# Altium PCB MCU014B_D1.PcbDoc (part 3 of 5) (continued)
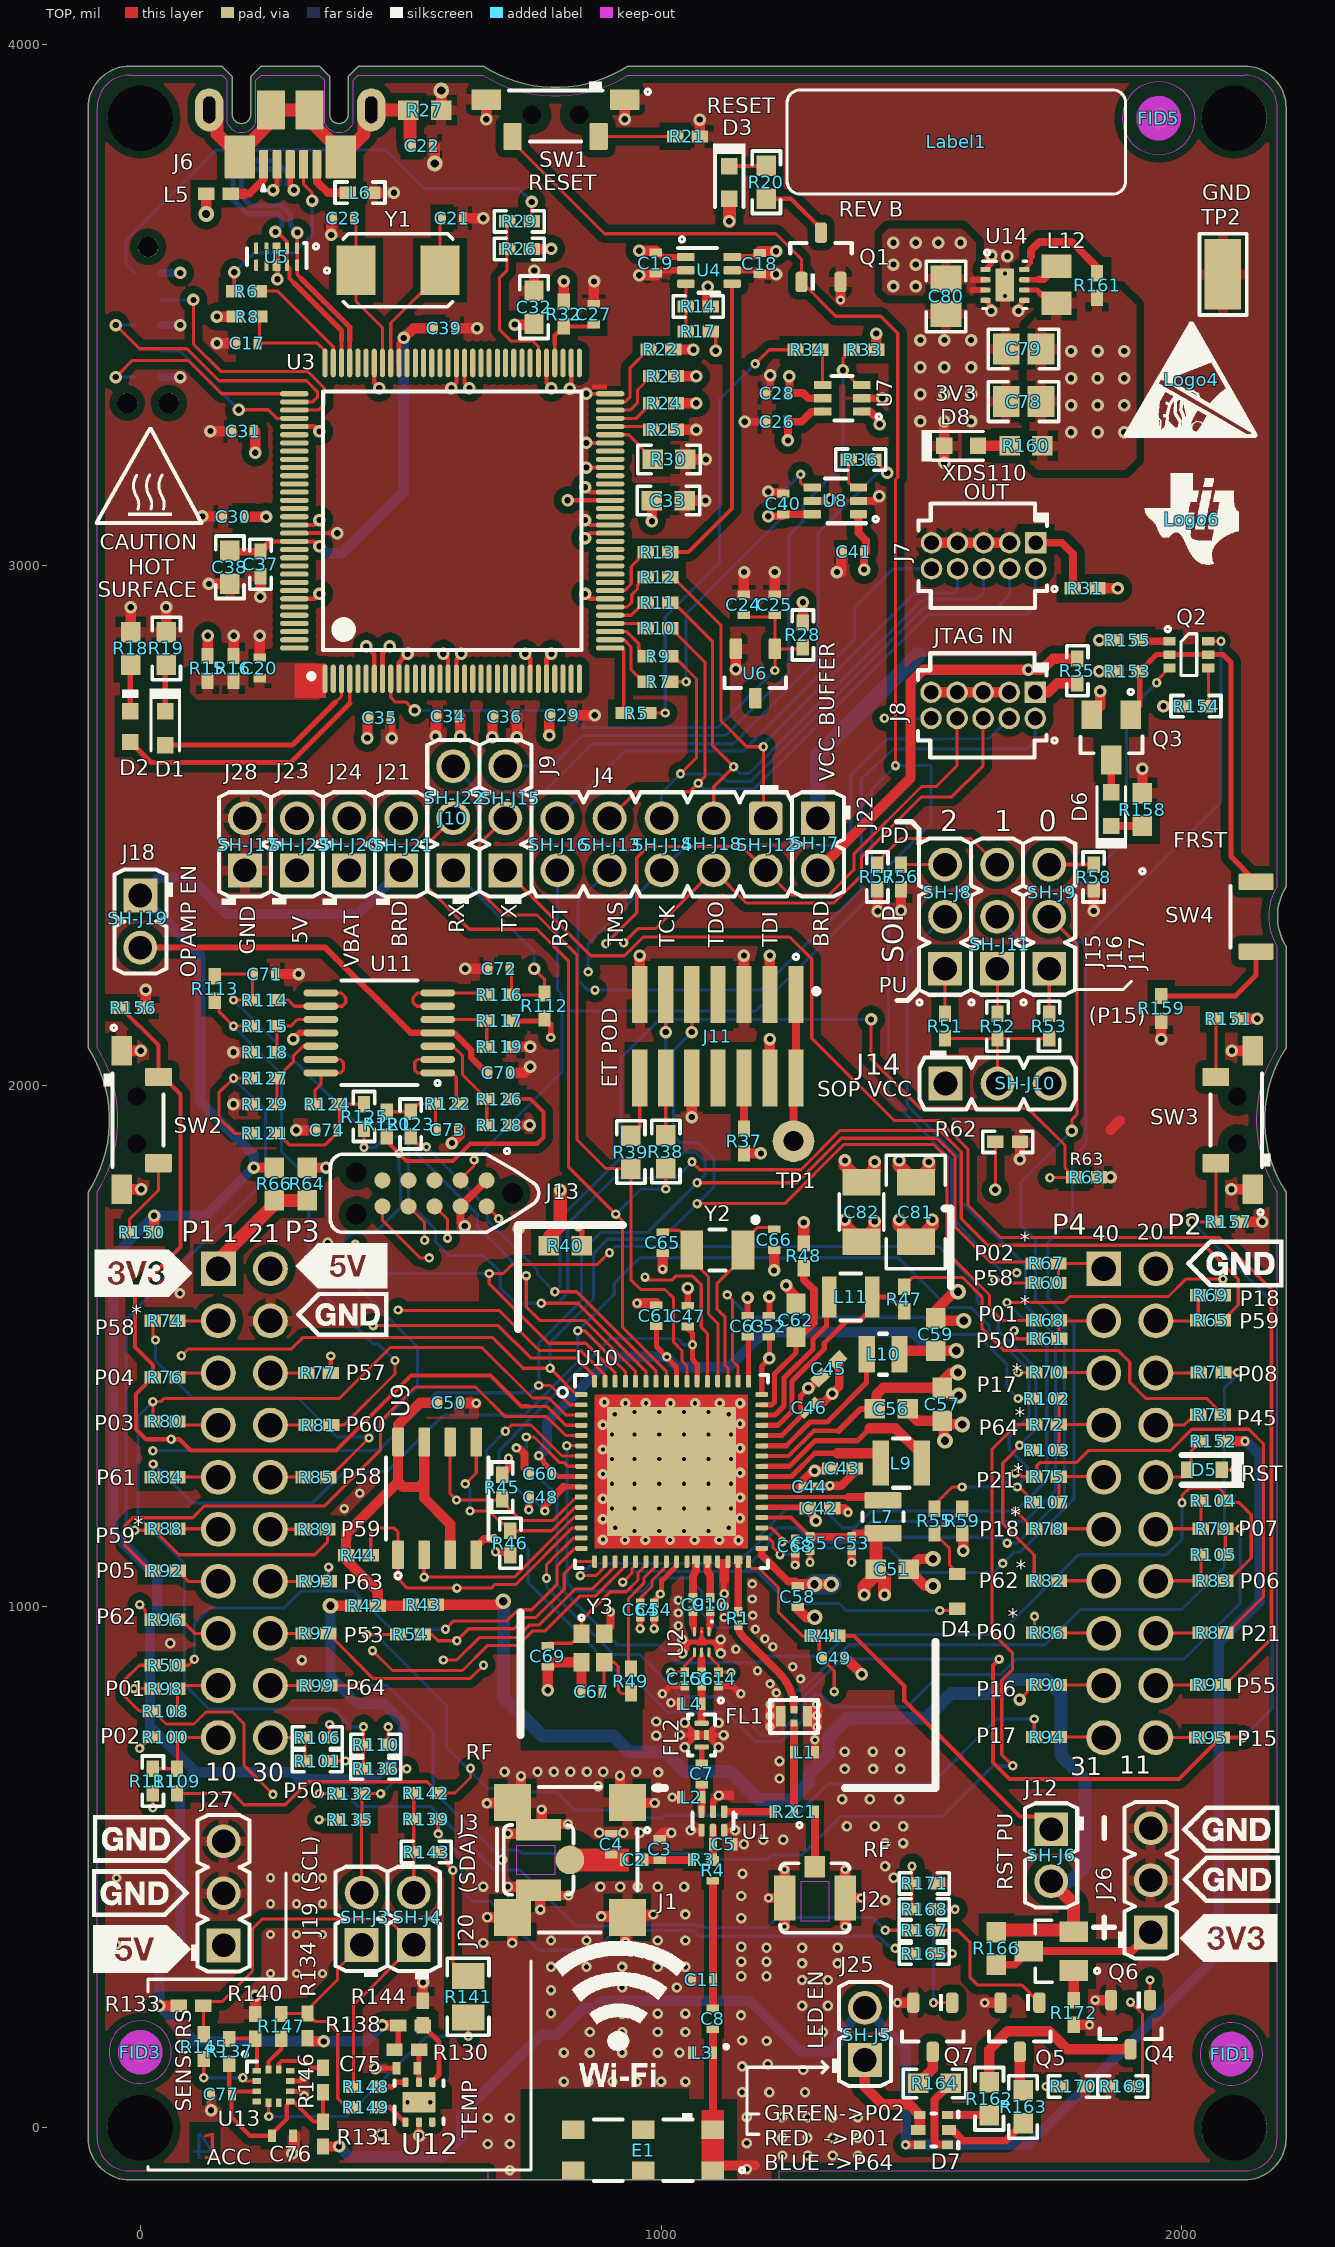
[diagram p0: TOP view]
## Nets (pads, with @x,y where several pads share a name; then routed paths per layer and width w, separated by ;. In a path a pad name is that pad's centre, name@x,y a point inside that pad or via, vN(x,y) a via of type N, cw(c..) or ccw(c..) an arc to the next point about the centre after c; other vN are vias at no path point) (continued)
NetC23_2: C23.2 U3.89 Y1.1 | length 298.8
  TOP w6: C23.2@414.2,3665.83 414.29,3665.74 Y1.1@414.29,3566 414.29,3506.85 465.14,3456 U3.89@465.14,3388.15
NetC27_1: C27.1 R32.2 U3.68 | length 135.3
  TOP w7.5: U3.68@795.85,3388.15 795.85,3424.85
  TOP w8: 795.85,3424.85 795.85,3441.23 R32.2@813,3458.38 C27.1@871,3458.38
NetC37_1: C37.1 C38.1 C39.1 U3.87 U3.115 | length 810.6
  TOP w7.5: 251.25,3045.63 U3.115@295.85,3045.63 334.63,3045.63 v1(344,3036.26)
  TOP w9: U3.87@496.64,3388.15 496.64,3426.93 v1(506.01,3436.3)
  TOP w15.01: C38.1@172,3027.5 173.87,3025.62 C37.1@231,3025.62 251.01,3045.63 251.25,3045.63
  TOP w20: v1(506.01,3436.3) 524.71,3455 C39.1@560.38,3455
  BOTTOM w20: v1(344,3036.26) 357.11,3023.15 388.09,3023.15 506.01,3141.08 v1(506.01,3436.3)
NetC47_1: C47.1 C48.1 R40.1 U10.10 U10.54 | length 1222.2
  TOP w10: 812.71,1230.47 U10.10@846.77,1230.47 ; v2(841,1730) 847.5,1723.5 R40.1@847.5,1693 ; C47.1@1051,1534.38 1060.21,1525.17 v2(1060.21,1503.21) 1060.21,1474.67 1069.21,1465.68 U10.54@1069.21,1433.23
  TOP w15.01: v2(776.82,1183.98) 776.82,1194.57 792.24,1210 812.71,1230.47
  PWR w10: v2(841,1730) 841,1660 964,1537 1026.43,1537 v2(1060.21,1503.21)
  BOTTOM w6: v2(776.82,1183.98) 756.24,1204.55 745.45,1204.55 689,1261 689,1299.55 719,1329.54 719,1331.29 901.71,1514 ; 901.72,1515 1032,1515 1043.79,1503.21 v2(1060.21,1503.21)
NetC50_1: C50.1 R42.1 R43.1 R44.1 U9.3 U9.7 U9.8 | length 835.4
  TOP w19.9: R43.1@519.76,1004 517.76,1002 R42.1@455.92,1002 455.92,1029.51 396,1089.43 396,1090 395.38,1090.62 R44.1@395.38,1099 395,1099.38 395,1129.43 395.32,1129.75 395.32,1140.32 495,1240 ; U9.7@545,1306.49 545,1240 ; C50.1@565.71,1392.1 537.1,1392.1 495,1350 U9.8@495,1316.49 495,1240 ; U9.3@595,1117.51 595,1159 545,1209 545,1240 ; 495,1240 505,1230 535,1230 545,1240
NetC62_1: C62.1 R48.1 U10.47 | length 327.9
  TOP w10: U10.47@1193.23,1387.95 1212.95,1387.95 1217.98,1392.98 1217.98,1446.98 1259,1488 C62.1@1259,1518.5
  TOP w15.01: C62.1@1259,1518.5 1266.5,1518.5 1293.35,1545.35 1293.35,1608.65 1274,1628 R48.1@1274,1650.38
NetC63_1: C63.1 U10.49 | length 82.8
  TOP w10: C63.1@1166,1515.38 1167.64,1513.74 U10.49@1167.64,1433.23
NetC64_1: C64.1 U10.24 | length 91.9
  TOP w6: C64.1@959.69,1007.25 959.69,1016.24 982.42,1038.97 982.42,1050.52 U10.24@1010.16,1078.26
NetC65_1: C65.1 U10.52 Y2.2 | length 352.2
  TOP w6: C65.1@1003,1722.95 1034.47,1722.95 1058.79,1698.64 Y2.2@1058.79,1685 1058.79,1666.21 1091,1634 1091,1562 1109,1544 1109,1433.62 U10.52@1108.58,1433.23
NetC66_1: C66.1 U10.51 Y2.1 | length 368.2
  TOP w6: U10.51@1128.27,1433.23 1128.3,1458.7 1123,1464 1123,1556 1107,1572 1107,1620 1157.21,1670.21 1157.21,1700.21 1185.62,1728.62 C66.1@1217,1728.62
NetC67_1: C67.1 R49.1 Y3.3 | length 162.6
  TOP w6: C67.1@888.62,837 C67.1@890.51,838.89 ; C67.1@890.51,837 C67.1@890.51,838.89 ; R49.1@942.12,833.78 923.4,833.78 917.66,839.51 917.66,885.53 909.61,893.58 Y3.3@890.51,893.58 C67.1@890.51,838.89
NetC69_1: C69.1 U10.22 Y3.1 | length 280.8
  TOP w6: C69.1@782.17,928.62 783.55,930 828.5,930 Y3.1@847.2,948.7 847.2,974.13 902.06,1028.99 933.14,1028.99 955.76,1051.61 955.76,1064.97 970.79,1080 U10.22@970.79,1086.77
NetC73_1: C73.1 R120.1 R122.2 R123.1 | length 150
  TOP w6: R120.1@473,1950.62 R123.1@519.21,1950.62 534.61,1966.02 566.51,1966.02 R122.2@566.58,1965.96 C73.1@566.58,1915.96
NetC74_1: C74.1 R121.1 R124.2 R125.1 | length 237.9
  TOP w6: R121.1@262.62,1909 264.43,1909 286.43,1887 355,1887 382.62,1914.62 382.62,1915 R124.2@382.62,1965 R125.1@429.64,1965
NetC75_1: C75.1 R130.1 U12.5 | length 62
  TOP w10: U12.5@535.43,87.65 535.43,114.17 R130.1@535.43,149.61
NetC76_1: C76.1 C77.1 R131.1 R137.2 R146.2 U13.3 U13.7 | length 459.2
  TOP w8: R137.2@171,123 171,73.24 C77.1@179.62,64.62 ; U13.3@223.91,69.78 184.78,69.78 C77.1@179.62,64.62 ; R146.2@351,68 351,12.24 332.38,12.24 294.53,50.09 U13.7@288.09,50.09 281.35,43.36 281.35,16.6 249.38,-15.38 211,-15.38 175.29,20.33 175.29,60.29 C77.1@179.62,64.62
NetD1_1: D1.1 R19.2 | length 89.9
  TOP w10: D1.1@48,2719.48 48,2806.5 R19.2@50,2808.5
NetD2_2: D2.2 R18.2 | length 89.4
  TOP w10: D2.2@-19,2719.53 -19,2807.5 R18.2@-18,2808.5
NetD3_1: D3.1 R20.2 | length 71.1
  TOP w8: D3.1@1131,3766.19 1201.7,3766.19 R20.2@1202,3766.5
NetD4_1: D4.1 R55.1 R59.1 | length 164.3
  TOP w6: D4.1@1569,1071.59 1562.72,1071.59 1553.58,1080.73 1553.58,1112.8 R55.1@1525,1141.38 1548.62,1165 1554.38,1165 R59.1@1578,1188.62
NetD6_1: D6.1 R158.2 | length 60
  TOP w15.01: D6.1@1864.21,2499.25 R158.2@1924.21,2499.25
NetD6_2: D6.2 Q3.3 | length 61.7
  TOP w15.01: D6.2@1864.21,2564.21 Q3.3@1864.21,2625.91
NetD7_2: D7.2 R164.2 | length 151.2
  TOP w15.01: D7.2@1549.92,-32.87 1532.87,-32.87 1525,-25 1525,53.5 R164.2@1556.5,85
NetD7_3: D7.3 D7.5 J25.1 | length 209.3
  TOP w19.9: J25.1@1391.23,130.06 1391.23,78.57 1424.92,44.88 1476.1,44.88 D7.5@1496.77,24.21 1496.77,-1.38 D7.3@1493.82,-4.33
NetD7_4: D7.4 R163.2 | length 164.6
  TOP w15.01: D7.4@1552.87,-4.33 1559.33,-4.33 1580,-25 1661.5,-25 R163.2@1695,8.5
NetD7_6: D7.6 R162.2 | length 80.1
  TOP w15.01: D7.6@1549.92,24.21 R162.2@1630,24.21
NetD8_2: D8.2 R160.2 | length 60.5
  TOP w20: D8.2@1608.48,3229 R160.2@1669.01,3229
NetFL1_1: FL1.1 R1.1 | length 201.2
  TOP w15: R1.1@1148.06,964.77 ccw(c1179.16,964.77) 1157.17,942.78 1225.36,874.59 cw(c1153.08,802.3) FL1.1@1255.31,802.3
NetJ6_1: J6.1 L5.1 | length 102.8
  TOP w15.01: 200,3713 209.52,3713 236.82,3740.3 J6.1@236.82,3768.63
  TOP w19.9: L5.1@173.62,3713 200,3713
NetJ6_5: J6.5 L6.1 | length 100.6
  TOP w15.75: J6.5@339.18,3768.63 339.18,3735.82 360,3715 L6.1@398.38,3715
NetJ7_1: J7.1 R31.2 | length 146.3
  TOP w15.1: J7.1@1719.19,3043.01 1769.31,3043.01 1790.61,3021.71 R31.2@1790.61,2955.63
NetJ8_1: J8.1 R35.2 | length 88.1
  TOP w20: J8.1@1718.28,2755.78 1743.13,2755.78 1760.73,2773.38 R35.2@1799.13,2773.38
NetJ9_3: J9.3 R33.2 U7.3 | length 1335.9
  TOP w6: R33.2@1365.98,3413.41 1349,3396.43 v1(1349,3374) 1377,3346 U7.3@1385,3346
  BOTTOM w6: J9.3@701,2614 791,2614 850,2673 1124.32,2673 1245,2793.69 1245,3057.32 1272.88,3085.2 1272.88,3116.4 1349,3192.52 v1(1349,3374)
NetJ10_3: J10.3 R36.1 | length 1286.8
  TOP w6: R36.1@1407.22,3202.41 1409.01,3202.41 v1(1434.3,3177.12)
  BOTTOM w6: J10.3@601,2614 650,2565 776,2565 868,2657 1139.03,2657 1301.21,2819.18 1301.21,3061.85 1416.48,3177.12 v1(1434.3,3177.12)
NetJ11_1: J11.1 J11.2 TP1.1 | length 272.6
  TOP w15.01: TP1.1@1254.21,1894.21 1254.21,2010.41 J11.2@1259,2015.2 J11.1@1259,2164.8
NetJ11_6: J11.6 R37.1 | length 97.5
  TOP w15.01: J11.6@1159,2015.2 1159,1918.05 R37.1@1159.21,1917.83
NetJ11_12: J11.12 R38.2 | length 109.7
  TOP w6: R38.2@1009,1905.5 J11.12@1009,2015.2
NetJ11_14: J11.14 R39.2 | length 117.7
  TOP w6: R39.2@942,1904.5 959,1921.5 J11.14@959,2015.2
NetJ12_1: J12.1 R41.1 | length 581.3
  TOP w8: R41.1@1338.01,944.25 1370.59,944.25 1466.82,848.03 1466.82,819.87 1689.06,597.63 1724.37,597.63 J12.1@1749,573
NetJ14_2: J14.2 R51.1 R52.1 R53.1 | length 286.5
  TOP w6: R51.1@1545.12,2091.5 1545.45,2091.17 R52.1@1646.01,2091.17 ; J14.2@1646.01,2004.79 R52.1@1646.01,2091.17 ; R53.1@1745.12,2091.17 R52.1@1646.01,2091.17
NetJ15_1: J15.1 R51.2 | length 86.4
  TOP w6: R51.2@1545.12,2138.74 J15.1@1545.12,2225.12
NetJ15_3: J15.3 R56.1 | length 84.6
  TOP w6: R56.1@1460.5,2425.12 J15.3@1545.12,2425.12
NetJ16_1: J16.1 R52.2 | length 87.1
  TOP w6: J16.1@1645.12,2225.12 1646.01,2224.23 R52.2@1646.01,2138.41
NetJ16_3: J16.3 R57.1 | length 274.5
  TOP w6: R57.1@1415,2425 1415,2430 1460.12,2475.12 1595.12,2475.12 J16.3@1645.12,2425.12
NetJ17_1: J17.1 R53.2 | length 86.7
  TOP w6: R53.2@1745.12,2138.41 J17.1@1745.12,2225.12
NetJ17_3: J17.3 R58.1 | length 85.6
  TOP w8: J17.3@1745.12,2425.12 1830.3,2425.12 R58.1@1830.63,2424.79
NetJ19_2: J19.2 R132.2 R135.2 R136.2 | length 331.7
  TOP w6: J19.2@425,451 425,590.52 R135.2@426,591.52 R132.2@426,641.52 v2(461.52,641.52) ; R136.2@476,689.21 v2(511.52,689.21)
  BOTTOM w6: v2(461.52,641.52) 463.83,641.52 v2(511.52,689.21)
NetJ20_2: J20.2 R139.2 R142.2 R143.2 | length 191.5
  TOP w6: J20.2@525,451 R139.2@525,592.52 R142.2@525,642.52
NetJ26_1: J26.1 Q6.3 R166.1 | length 321.9
  TOP w15.01: R166.1@1643.9,312.73 1679.09,312.73 Q6.3@1705.59,339.23 1904.23,339.23 J26.1@1940,375
NetL7_2: L7.2 U10.38 | length 235.4
  TOP w8: U10.38@1193.23,1210.79 1359.41,1210.79
  TOP w15.01: 1359.41,1210.79 1419.58,1210.79 L7.2@1426,1204.37
NetL9_1: L9.1 U10.41 | length 374.9
  TOP w10: U10.41@1193.23,1269.84 1246.62,1269.84 1295.78,1319 1376.99,1319 1400.99,1343
  TOP w20: 1400.99,1343 1450,1343 1500.37,1292.63 L9.1@1500.37,1276
NetL9_2: L9.2 U10.40 | length 268
  TOP w10: U10.40@1193.23,1250.16 1250.29,1250.16 1295.13,1295 1338.8,1295
  TOP w20: 1338.8,1295 1416.63,1295 L9.2@1416.63,1281 ; L9.2@1416.63,1276 L9.2@1416.63,1281 ; L9.2@1421.63,1276 L9.2@1416.63,1281
NetL10_2: L10.2 U10.43 | length 306.1
  TOP w10: U10.43@1193.23,1309.21 1240.21,1309.21 1286,1355 1319,1355 1394.63,1430.63 L10.2@1394.63,1485
NetL11_1: L11.1 U10.46 | length 281.2
  TOP w10: U10.46@1193.23,1368.27 1218.72,1368.27 1236.08,1385.62 1236.08,1439.14 1291.6,1494.66 1291.6,1513.65 1317.66,1539.71 L11.1@1317.66,1583
NetL11_2: L11.2 R47.2 U10.45 | length 440.5
  TOP w10: U10.45@1193.23,1348.58 1224.49,1348.58 1251.53,1375.62 1251.53,1433.37 1313.19,1495.04 1313.19,1506.06 1355.96,1548.83 1381.21,1548.83 1405.34,1572.95 L11.2@1405.34,1595 1439.38,1595 R47.2@1467,1567.38
NetL12_1: L12.1 U14.7 | length 72.2
  TOP w9.84: U14.7@1697.4,3547.84 1723.84,3547.84 1725,3549
  TOP w15.01: 1725,3549 1734.57,3549 L12.1@1759,3573.43
NetP1_1: P1.1 R60.2 R67.2 | length 132.2
  TOP w6: R60.2@1762.83,1622.31 R67.2@1762.83,1659.21 P1.1@1826.7,1659.21
  TOP w10: P1.1@1826.7,1659.21 1826.7,1672.21 P1.1@1845.08,1672.21
NetP1_3: P1.3 R61.2 R68.2 | length 120
  TOP w6: R61.2@1764.25,1514.63 R68.2@1764.25,1549.38 ; R68.2@1764.62,1549 P1.3@1849.91,1549
NetP1_4: P1.4 R65.1 R69.1 | length 129.9
  TOP w6: P1.4@1949.91,1549 2030.38,1549 R65.1@2031.38,1550 R69.1@2031.38,1598
NetP1_5: P1.5 R70.2 | length 86.7
  TOP w6: R70.2@1763.62,1450 1848.91,1450 P1.5@1849.91,1449
NetP1_6: P1.6 R71.1 | length 83
  TOP w6: P1.6@1949.91,1449 2031.46,1449 R71.1@2032.46,1450
NetP1_7: P1.7 R72.2 R102.2 R103.2 | length 185.7
  TOP w6: R103.2@1763.62,1301 R72.2@1763.62,1350 ; R102.2@1763.62,1400 R72.2@1763.62,1350 ; P1.7@1849.91,1349 1848.91,1350 R72.2@1763.62,1350
NetP1_8: P1.8 R73.1 | length 89.8
  TOP w6: P1.8@1949.91,1349 2004,1349 2024,1369 R73.1@2031.38,1369
NetP1_9: P1.9 R75.2 R107.2 | length 135.7
  TOP w6: R107.2@1763.62,1201 R75.2@1763.62,1250 1848.91,1250 P1.9@1849.91,1249
NetP1_11: P1.11 R78.2 | length 86.7
  TOP w6: R78.2@1763.62,1150 1848.91,1150 P1.11@1849.91,1149
NetP1_12: P1.12 R79.1 R104.1 | length 140.9
  TOP w6: P1.12@1949.91,1149 1950.91,1150 R79.1@2036.38,1150 R104.1@2036.38,1204
NetP1_13: P1.13 R82.2 | length 86.7
  TOP w6: R82.2@1763.62,1050 1848.91,1050 P1.13@1849.91,1049
NetP1_14: P1.14 R83.1 R105.1 | length 136.9
  TOP w6: P1.14@1949.91,1049 1950.91,1050 R83.1@2036.38,1050 R105.1@2036.38,1100
NetP1_15: P1.15 R86.2 | length 86.7
  TOP w6: R86.2@1763.62,950 1848.91,950 P1.15@1849.91,949
NetP1_16: P1.16 R87.1 | length 86.9
  TOP w6: P1.16@1949.91,949 1950.91,950 R87.1@2036.38,950
NetP1_17: P1.17 R90.2 | length 86.7
  TOP w6: R90.2@1763.62,850 1848.91,850 P1.17@1849.91,849
NetP1_18: P1.18 R91.1 | length 81.9
  TOP w6: P1.18@1949.91,849 1950.91,850 R91.1@2031.38,850
NetP1_19: P1.19 R94.2 | length 86.7
  TOP w6: R94.2@1763.62,750 1848.91,750 P1.19@1849.91,749
NetP1_20: P1.20 R95.1 | length 79.5
  TOP w6: P1.20@1949.91,749 R95.1@2029.38,748.99
NetP2_1: P2.1 R64.2 R66.2 | length 235
  TOP w25: P2.1@149.91,1649 149.91,1665.16 265.26,1780.5 R64.2@321,1780.5
NetP2_3: P2.3 R74.2 | length 78.3
  TOP w6: R74.2@71.62,1549 P2.3@149.91,1549
NetP2_5: P2.5 R76.2 | length 81.6
  TOP w6: R76.2@71.62,1441 79.62,1449 P2.5@149.91,1449
NetP2_6: P2.6 R77.1 | length 68.5
  TOP w6: P2.6@249.91,1449 R77.1@318.38,1449
NetP2_7: P2.7 R80.2 | length 81.2
  TOP w6: R80.2@71.62,1356 78.62,1349 P2.7@149.91,1349
NetP2_8: P2.8 R81.1 | length 69.5
  TOP w6: P2.8@249.91,1349 R81.1@319.38,1349
NetP2_9: P2.9 R84.2 | length 78.3
  TOP w6: R84.2@71.62,1249 P2.9@149.91,1249
NetP2_10: P2.10 R85.1 | length 63.6
  TOP w6: P2.10@249.91,1249 R85.1@313.49,1249.01
NetP2_11: P2.11 R88.2 | length 78.7
  TOP w6: R88.2@71.62,1150 148.91,1150 P2.11@149.91,1149
NetP2_12: P2.12 R89.1 | length 62.2
  TOP w6: P2.12@249.91,1149 311.98,1149 R89.1@312.09,1149.11
NetP2_13: P2.13 R92.2 | length 86.5
  TOP w6: R92.2@71.78,1069.21 91.99,1049 P2.13@149.91,1049
NetP2_14: P2.14 R93.1 | length 64.5
  TOP w6: P2.14@249.91,1049 R93.1@314.38,1049
NetP2_15: P2.15 R96.2 | length 89.1
  TOP w6: R96.2@71.62,975 78.43,975 104.43,949 P2.15@149.91,949
NetP2_16: P2.16 R97.1 | length 63.5
  TOP w6: P2.16@249.91,949 R97.1@313.38,949
NetP2_17: P2.17 R98.2 R108.2 R110.2 | length 534.8
  TOP w6: R108.2@71.62,800 R98.2@71.62,843 77.62,849 P2.17@149.91,849 ; R110.2@476,735 v2(476,769.54)
  PWR w6: P2.17@149.91,849 204.22,794.69 295.05,794.69 316.18,815.83 429.72,815.83 v2(476,769.54)
NetP2_18: P2.18 R99.1 | length 65.5
  TOP w6: P2.18@249.91,849 R99.1@315.38,849
NetP2_19: P2.19 R100.2 R109.2 R111.2 | length 186.3
  TOP w6: R111.2@24.21,689.13 R109.2@70.4,689.13 71.62,690.35 R100.2@71.62,750 72.62,749 P2.19@149.91,749
NetP2_20: P2.20 R101.1 R106.1 | length 111.5
  TOP w6: P2.20@249.91,749 R106.1@316.38,749 R101.1@316.38,704
NetQ1_3: Q1.3 R20.1 | length 136.6
  TOP w8: R20.1@1202,3703.5 1249.58,3703.5 1307,3646.08 Q1.3@1307,3638.24
NetQ2_1: Q2.1 R155.1 | length 58
  TOP w15.01: R155.1@1918.92,2856.2 1921.33,2853.79 Q2.1@1975.9,2853.79
NetQ2_2: Q2.2 Q2.5 Q3.1 R153.1 SW4.2 | length 726.7
  TOP w10: Q3.1@1901.61,2712.52 1918.92,2729.83 R153.1@1918.92,2796.2 1950.92,2828.2 Q2.2@1975.9,2828.2 Q2.5@2050.7,2828.2 2079.09,2828.2 2093.93,2813.36 2093.93,2440.42 SW4.2@2142.4,2391.95
NetQ2_4: Q2.4 R154.1 | length 73.4
  TOP w6: R154.1@2050.7,2729.21 Q2.4@2050.7,2802.61
NetQ4_1: Q4.1 R165.2 | length 469.2
  TOP w6: R165.2@1529.06,334.21 v2(1559.21,334.21) ; Q4.1@1938.7,245.07 v2(1938.7,283.7)
  PWR w6: v2(1559.21,334.21) 1850.82,334.21 1901.34,283.7 v2(1938.7,283.7)
NetQ4_3: Q4.3 R162.1 | length 362.8
  TOP w20: R162.1@1630,87.2 1630,150 1665,185 1745,185 1779.42,150.58 Q4.3@1901.3,150.58
NetQ5_1: Q5.1 R167.2 | length 294.2
  TOP w6: R167.2@1529.06,379.21 1569.21,379.21 1593.2,355.22 1593.2,288.15 1607.13,274.22 1692.15,274.22 Q5.1@1726.3,240.07
NetQ5_3: Q5.3 R163.1 | length 76.6
  TOP w20: Q5.3@1688.9,145.58 1688.9,77.6 R163.1@1695,71.5
NetQ6_1: Q6.1 R172.2 | length 57.1
  TOP w20: R172.2@1792.2,244.69 Q6.1@1792.2,301.82
NetQ7_1: Q7.1 R168.2 | length 267.2
  TOP w6: v2(1523.08,240.07) Q7.1@1558.9,240.07 ; R168.2@1529.06,419.21 v2(1564.21,419.21)
  BOTTOM w6: v2(1523.08,240.07) 1523.08,378.08 v2(1564.21,419.21)
NetQ7_3: Q7.3 R164.1 | length 72.2
  TOP w20: R164.1@1493.5,85 1521.49,112.99 Q7.3@1521.49,145.58
NetR2_1: R2.1 U1.1 | length 89.4
  TOP w15: U1.1@1124.61,606.65 R2.1@1213.97,606.65
NetR5_2: R5.2 U3.33 | length 148.6
  TOP w6: U3.33@902.15,2840.91 924.09,2840.91 928.38,2836.62 R5.2@928.38,2716
NetR6_2: R6.2 U3.95 | length 218.4
  TOP w6: R6.2@227.62,3526 264,3526 370.65,3419.35 U3.95@370.65,3388.15
NetR7_2: R7.2 U3.34 | length 127.3
  TOP w6: U3.34@902.15,2856.65 929.15,2856.65 942,2843.8 942,2800 966,2776 R7.2@970.38,2776
NetR9_2: R9.2 U3.35 | length 94.2
  TOP w6: U3.35@902.15,2872.4 933.86,2872.4 957,2849.26 957,2838.38 R9.2@970.38,2825
NetR10_2: R10.2 U3.36 | length 72
  TOP w6: U3.36@902.15,2888.15 961.23,2888.15 R10.2@970.38,2879
NetR11_2: R11.2 U3.37 | length 78.2
  TOP w6: U3.37@902.15,2903.9 942.9,2903.9 967,2928 R11.2@970.38,2928
NetR12_2: R12.2 U3.38 | length 104.7
  TOP w6: U3.38@902.15,2919.65 934.65,2919.65 943.63,2928.63 943.63,2942.96 954.71,2954.05 954.71,2961.33 R12.2@970.38,2977
NetR13_1: R13.1 U4.4 | length 585.1
  TOP w8: R13.1@1017.62,3025 1052.76,3025 1136.29,3108.53 U4.4@1136.29,3540.41
NetR13_2: R13.2 U3.40 | length 118.5
  TOP w6: U3.40@902.15,2951.14 930.14,2951.14 942.71,2963.71 942.71,2997.33 R13.2@970.38,3025
NetR14_2: R14.2 R17.2 U4.3 | length 91.7
  TOP w6: R17.2@1047.71,3448.69 R14.2@1047.71,3496.62 U4.3@1047.71,3540.41
NetR21_2: R21.2 SW1.3 | length 146.9
  TOP w6: SW1.3@880.05,3823.02 R21.2@1027,3823.02
NetR22_2: R22.2 U3.63 | length 148
  TOP w6: U3.63@902.15,3313.35 930.98,3313.35 940,3322.37 940,3378.24 R22.2@975.76,3414
NetR23_2: R23.2 U3.62 | length 120.7
  TOP w6: U3.62@902.15,3297.6 940.6,3297.6 954.63,3311.63 954.63,3336.25 R23.2@981.38,3363
NetR24_2: R24.2 U3.61 | length 91.3
  TOP w6: U3.61@902.15,3281.85 952.23,3281.85 R24.2@981.38,3311
NetR25_2: R25.2 U3.60 | length 81.8
  TOP w6: U3.60@902.15,3266.1 975.28,3266.1 R25.2@981.38,3260
NetR26_2: R26.2 R29.2 U3.70 | length 333.2
  TOP w6: R29.2@704.38,3660 R26.2@704.38,3607 704.38,3566.38 690,3552 690,3452 712,3430 754,3430 764.35,3419.65 U3.70@764.35,3388.15
NetR30_2: R30.2 U3.59 | length 101.8
  TOP w6: U3.59@902.15,3250.35 937.65,3250.35 983.5,3204.5 R30.2@983.5,3203
NetR34_1: R34.1 U7.4 | length 69.5
  TOP w6: R34.1@1305.22,3413.41 1310.2,3408.43 U7.4@1310.2,3346
NetR36_2: R36.2 U8.3 | length 66.9
  TOP w6: R36.2@1359.98,3202.41 1359.6,3202.03 1359.6,3159.41 1370.01,3149 U8.3@1379,3149
NetR49_2: R49.2 U10.23 | length 229.4
  TOP w6: R49.2@942.12,881.02 937.7,885.45 937.7,1016.17 966.98,1045.45 966.98,1055.52 990.47,1079 U10.23@990.47,1086.77
NetR114_1: R114.1 U11.8 U11.9 | length 201
  TOP w6: R114.1@262.62,2165 284,2165 295.82,2153.18 388.18,2153.18 394.51,2159.51 394.51,2169.61 385.35,2178.77 U11.8@346.8,2178.77
NetR115_2: R115.2 R118.2 U11.10 | length 139.4
  TOP w6: R118.2@262.62,2065 R115.2@262.62,2115 289,2115 301.59,2127.59 U11.10@346.8,2127.59
NetR116_1: R116.1 U11.6 U11.7 | length 206.6
  TOP w6: U11.6@571.2,2153.18 530.82,2153.18 524,2160 524,2170 532.77,2178.77 661.61,2178.77 R116.1@665.38,2175
NetR117_2: R117.2 R119.2 U11.5 | length 145.2
  TOP w6: U11.5@571.2,2127.59 662.79,2127.59 R117.2@665.38,2125 R119.2@665.38,2075
NetR122_1: R122.1 U11.1 U11.2 | length 200.5
  TOP w6: U11.2@571.2,2050.82 532.02,2050.82 527.11,2045.91 527.11,2030.51 532.4,2025.23 598.2,2025.23 606.62,2016.8 606.62,1973.16 R122.1@613.82,1965.96
NetR124_1: R124.1 U11.13 U11.14 | length 170.9
  TOP w6: R124.1@335.38,1965 335.38,1991.38 346.8,2002.8 U11.14@346.8,2025.23 384.73,2025.23 389.91,2030.41 389.91,2045.91 385.01,2050.82 U11.13@346.8,2050.82
NetR126_2: R126.2 R128.2 U11.3 | length 207.6
  TOP w6: U11.3@571.2,2076.41 600.49,2076.41 618.63,2058.27 618.63,2021.75 R126.2@665.38,1975 R128.2@665.38,1925
NetR127_2: R127.2 R129.2 U11.12 | length 166.1
  TOP w6: R129.2@262.62,1965 R127.2@262.62,2015 294,2046.38 294,2057.47 312.94,2076.41 U11.12@346.8,2076.41
NetR137_1: R137.1 R140.2 U13.1 | length 113.4
  TOP w8: R137.1@171,170.24 171.76,171 R140.2@221,171 221,165.72 223.91,162.81 U13.1@223.91,109.15
NetR138_1: R138.1 R144.2 U12.4 | length 125.1
  TOP w10: R144.2@542.54,196.35 573.74,165.16 ; U12.4@560.72,87.35 560.72,89.22 573.74,102.24 573.74,162.92
NetR141_1: R141.1 U13.5 | length 512.6
  TOP w6: U13.5@246.16,47.54 246.16,19.78 247,20.62 v2(247,21.62) ; v2(629.63,175.34) R141.1@629.63,211.68
  BOTTOM w6: v2(247,21.62) 395.91,21.62 549.63,175.34 v2(629.63,175.34)
NetR145_2: R145.2 U13.2 | length 140.6
  TOP w6: v2(122,96) R145.2@122,132 ; v2(197,96) 203.54,89.46 U13.2@223.91,89.46
  BOTTOM w6: v2(122,96) v2(197,96)
NetR146_1: R146.1 U13.11 | length 103.7
  TOP w8: U13.11@265.84,111.71 265.84,122.46 271.39,128.02 317,128.02 317,127.62 329.38,115.24 R146.1@351,115.24
NetR147_2: R147.2 U13.12 | length 69.6
  TOP w8: U13.12@246.16,111.71 246.16,126.78 271,151.62 R147.2@271,171
NetR148_2: R148.2 U12.6 | length 56.4
  TOP w10: R148.2@456.69,78.74 483.87,78.74 492.48,87.35 U12.6@509.54,87.35
NetR149_2: R149.2 U12.1 | length 63
  TOP w10: R149.2@456.69,39.37 479.02,39.37 U12.1@507.81,10.58
NetR150_2: R150.2 SW2.4 | length 155.9
  TOP w6: R150.2@-20.62,1719 -20.62,1744.08 34.98,1799.69 SW2.4@34.98,1851.92
NetR151_2: R151.2 SW3.4 | length 111.9
  TOP w6: SW3.4@2065.02,2017.27 R151.2@2065.02,2129.21
NetR159_2: R159.2 SW4.1 | length 244.2
  TOP w10: R159.2@1960.07,2172.83 2102.47,2172.83 2142.4,2212.76 SW4.1@2142.4,2258.1
NetR161_1: R161.1 U14.8 | length 207.1
  TOP w8: U14.8@1697.4,3567.53 1710,3580.13 1710,3593.66
  TOP w15.01: 1710,3593.66 1710,3604.21 1726.44,3620.66 1788.11,3620.66 1837,3571.77 R161.1@1837,3560.62
P01_GPIO_10: J11.9 R68.1 R98.1 R132.1 R167.1 R170.1 U10.1 | length 5728.8
  TOP w6: v2(-11.96,843) R98.1@24.38,843 ; v2(79,1482) 92,1495 290,1495 311.81,1516.81 676.61,1516.81 735.43,1458 v2(787,1458) 837.36,1407.64 U10.1@846.77,1407.64 ; v2(343.38,641.52) R132.1@378.76,641.52 ; v1(1059,2103.51) J11.9@1059,2175.43 ; v2(1069.21,1774.21) 1237.45,1774.21 1350.8,1887.56 1523.73,1887.56 1549.21,1862.08 1549.21,1680.09 1630.56,1598.73 1630.56,1573.98 1654.54,1550 R68.1@1716.38,1550 ; v2(1430.43,379.21) R167.1@1481.81,379.21 ; v2(1739.21,79.21) R170.1@1767.85,79.21
  PWR w6: v2(79,1482) 79,1150.92 -17.79,1054.13 -17.79,997.17 -11.96,991.34 v2(-11.96,843) -1.72,832.76 -1.72,822.37 157.33,663.33 268.95,663.33 290.76,641.52 v2(343.38,641.52) ; v2(1430.43,379.21) 1430.43,297.99 1649.21,79.21 v2(1739.21,79.21)
  BOTTOM w6: v2(343.38,641.52) 393.38,641.52 418.42,616.48 557.91,616.48 679.41,494.98 728.97,494.98 836.83,387.12 904.53,387.12 906.92,389.51 1066.73,389.51 1069.12,387.12 1080.82,387.12 1083.45,384.5 1203.19,384.5 1222,403.31 1406.34,403.31 v2(1430.43,379.21) ; v2(787,1458) 787,1508.06 870,1591.06 870,1678 897.65,1705.65 1000.65,1705.65 v2(1069.21,1774.21) 1101.72,1806.72 1101.72,1859.62 1070.27,1891.07 1036.97,1891.07 1023.98,1904.06 1023.98,2068.49 v1(1059,2103.51)
P02_GPIO_11: J11.11 R67.1 R100.1 R139.1 R165.1 R169.1 U10.2 | length 5916.2
  TOP w6: v2(-1.21,728.35) 20.44,750 R100.1@24.38,750 ; v2(572.24,564.21) R139.1@572.24,592.52 ; v2(765,1425) 787.68,1425 824.73,1387.95 U10.2@846.77,1387.95 ; v1(1009,2103.51) J11.11@1009,2175.43 ; v2(1069.21,1814.21) 1260.48,1814.21 1345.83,1899.56 1529.44,1899.56 1564.21,1864.79 1564.21,1729.83 1631.83,1662.21 1712.59,1662.21 R67.1@1715.59,1659.21 ; v2(1449.21,344.21) 1459.21,334.21 R165.1@1481.81,334.21 ; v2(1901.3,241.11) 1924.21,218.2 1924.21,93.18 R169.1@1910.25,79.21
  PWR w6: v2(24.21,1299.61) 6.38,1281.77 6.38,1258.24 14.33,1250.28 14.33,1129.69 -39.79,1075.57 -39.79,1072.51 -39.96,1072.34 -39.96,767.09 v2(-1.21,728.35) -1.21,609.64 14.21,594.21 215.79,594.21 289.91,520.09 528.12,520.09 v2(572.24,564.21) ; v2(1449.21,344.21) 1509.21,284.21 1858.2,284.21 v2(1901.3,241.11)
  BOTTOM w6: v2(24.21,1299.61) 24.61,1300 457,1300 568,1411 751,1411 v2(765,1425) 765,1505.93 847,1587.93 847,1682 883.48,1718.48 973.48,1718.48 v2(1069.21,1814.21) 1084.75,1829.75 1084.75,1854.1 1065.54,1873.31 1027.68,1873.31 1009,1891.99 v1(1009,2103.51) ; v2(572.24,564.21) 617.99,518.47 617.99,453.94 637.46,434.47 671.45,434.47 765.32,340.59 873.55,340.59 911.47,378.51 1062.18,378.51 1073.1,367.59 1418.01,367.59 1441.39,344.21 v2(1449.21,344.21)
P03_GPIO_12: R80.1 R110.1 R136.1 U10.3 | length 2007.4
  TOP w6: R80.1@24.38,1356 v2(24.38,1394.05) 39.21,1394.05 45.17,1400 382,1400 480,1498 656,1498 753,1401 784.1,1401 816.83,1368.27 U10.3@846.77,1368.27 ; R136.1@428.76,689.21 v2(428.76,769.54)
  BOTTOM w6: v2(24.38,1394.05) -4.34,1365.33 -4.34,1172.82 85.23,1083.25 85.23,850.17 131.19,804.21 370.79,804.21 405.46,769.54 v2(428.76,769.54)
P04_GPIO_13: R76.1 R111.1 R141.2 R143.1 R156.1 SW2.3 U10.4 | length 3648
  TOP w6: v2(24.21,614.21) R111.1@24.21,641.89 ; R143.1@572.83,529.21 589.65,512.39 589.65,504.86 v2(600.31,494.21) 600.31,317.99 R141.2@626.61,291.68 ; R141.2@620.52,291.68 R141.2@626.61,291.68 ; R141.2@629.63,291.68 R141.2@626.61,291.68 ; 745,1385 780.3,1385 816.72,1348.58 U10.4@846.77,1348.58
  TOP w8: R156.1@-36.62,2150 34.98,2078.4 SW2.3@34.98,2017.27 44.2,2017.27 77.25,1984.22 77.25,1691.25 -10,1604 -10,1499 24.38,1464.62 R76.1@24.38,1441 -7.89,1408.73 -7.89,1341.02 11.42,1321.71 v2(59.21,1321.71) 75.29,1321.71 97,1300 375.7,1300 520.01,1444.31 672.69,1444.31 732,1385 745,1385
  PWR w6: v2(59.21,1321.71) 59.21,1155.95 -28.96,1067.78 -28.96,792.96 24.21,739.79 v2(24.21,614.21) 231.18,614.21 293.82,551.57 432.47,551.57 462.11,581.21 579.29,581.21 600.31,560.19 v2(600.31,494.21)
P05_GPIO_14: R92.1 U10.5 | length 1169.5
  TOP w6: R92.1@24.53,1069.21 19.21,1069.21 -29.89,1118.31 -29.89,1155.57 -14.32,1171.14 100.55,1171.14 123.25,1193.84 353.98,1193.84 461.02,1300.89 461.02,1355.32 527.7,1422 643.7,1422 700.49,1365.21 780.29,1365.21 816.61,1328.9 U10.5@846.77,1328.9
P06_GPIO_15: R83.2 R104.2 U10.6 | length 2075.7
  TOP w6: v2@819,1309.81 846.17,1309.81 U10.6@846.77,1309.21 ; v2(2000,1200) 2000,1214 2014,1228 2072,1228 2078.9,1221.1 2078.9,1200 2110,1200 2133,1177 2133,1093.81 2089.19,1050 R83.2@2083.62,1050
  BOTTOM w6: v2(819,1309.21) 819,1046 834.83,1030.17 964.41,1030.17 989.76,1055.52 1052.18,1055.52 1078.6,1029.1 1078.6,988.23 1106.5,960.34 1139.27,960.34 1194.4,905.22 1202.82,905.22 1202.97,905.06 1314.44,905.06 1356.11,946.73 1647.74,946.73 1801.02,1100 1970,1100 2000,1130 v2(2000,1200)
P07_GPIO_16: R79.2 R105.2 U10.7 | length 2373.9
  TOP w6: v2(701,1337) 713.21,1349.21 750.12,1349.21 809.8,1289.53 U10.7@846.77,1289.53 ; R105.2@2083.62,1100 R79.2@2083.62,1150 v2(2112,1150)
  BOTTOM w6: v2(701,1337) 664.87,1300.87 664.87,1189.13 745,1109 745,1046.35 934.61,856.74 954.2,856.74 1013.21,797.73 1124.49,797.73 1180.47,741.75 1231.2,741.75 1272.64,783.18 1272.64,810.77 1293.03,831.17 1307.48,831.17 1330.5,808.14 1472.73,808.14 1534.59,870 1652.37,870 1682.47,900.1 2004.91,900.1 2112,1007.2 v2(2112,1150)
P08_GPIO_17: R71.2 U10.8 | length 2314.6
  TOP w6: v2(741,1326) 756.05,1326 805.24,1276.81 814,1276.81 820.97,1269.84 U10.8@846.77,1269.84 ; R71.2@2079.7,1450 v2(2107.08,1450)
  BOTTOM w6: v2(741,1326) 741,1273 800,1214 800,1043.07 916.59,926.48 996.95,926.48 1030.81,892.62 1176.56,892.62 1178.16,894.22 1198.26,894.22 1252.63,839.85 1270.55,839.85 1341.34,910.64 1343.8,910.64 1360.28,927.12 1737.13,927.12 1805,995 2000,995 2081.7,1076.69 2081.7,1420.61 v2@2111.08,1450